# Altium PCB mantarray_beta2_sensor_arrayed.PcbDoc (part 5 of 14)
Units mil, origin at the board's own origin, x right, y up, seen from the top; angles counter-clockwise.
Board outline 6232.47 x 10167.51 mil, 8 copper layers (Layer1_Top, Layer2_sig1, Layer3_AVDD_PLANE, Layer4_GND_PLANE, Layer5_DVDD_PLANE, Layer6_BUS, Layer7_sig2, Layer8_BOT), stack 50.224 mil thick; 470 components, 492 nets, 4650 pads, 3798 vias.
Unrouted connection lines stored in the file: 3.
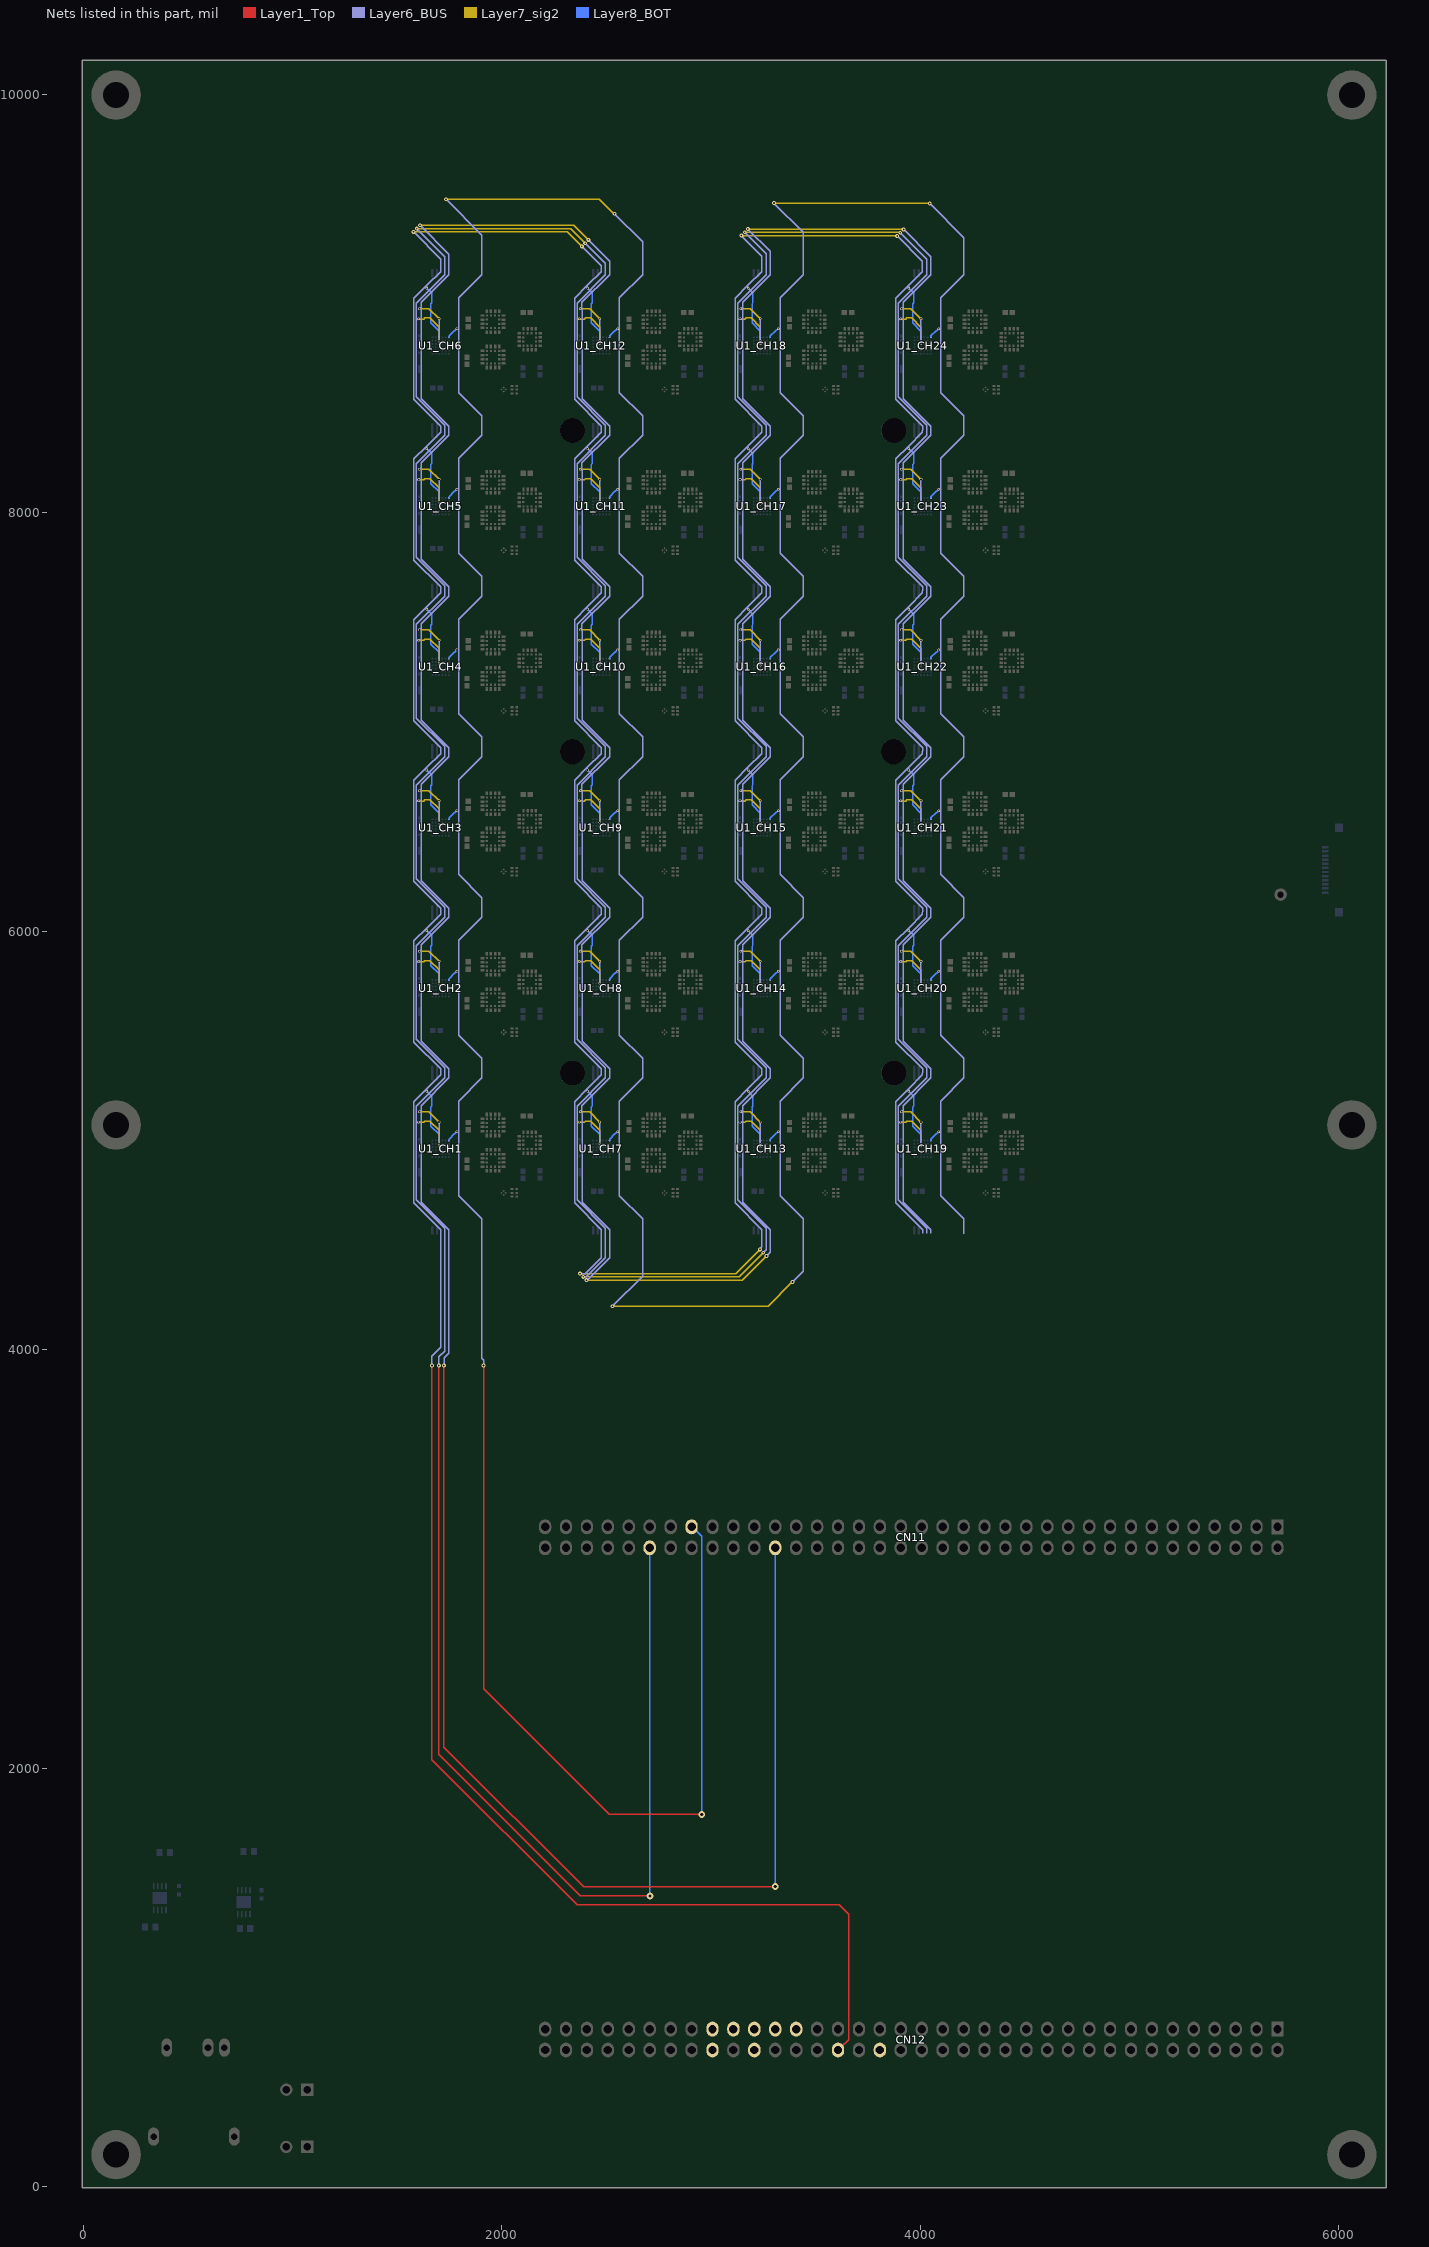
[diagram p11: the nets of this part, all layers, seen from the top]

## Via types
v1: diameter 12/12/12/12/12 (per signal layer), hole 7.87, Layer1_Top to Layer8_BOT, 2208 vias
v2: diameter 32, hole 20, Layer1_Top to Layer8_BOT, 815 vias
v3: diameter 10/10/10/10/10 (per signal layer), hole 7.87, Layer1_Top to Layer8_BOT, 456 vias
v4: diameter 18, hole 8, Layer6_BUS to Layer7_sig2, 102 vias
v5: diameter 10/10 (per signal layer), hole 7.87, Layer7_sig2 to Layer8_BOT, 96 vias
v6: diameter 18, hole 16, Layer1_Top to Layer8_BOT, 57 vias
v7: diameter 12, hole 7.87, Layer1_Top to Layer8_BOT, 26 vias
v8: diameter 18, hole 8, Layer1_Top to Layer8_BOT, 17 vias
v9: diameter 32, hole 16, Layer1_Top to Layer8_BOT, 10 vias
v10: diameter 19.68, hole 7.87, Layer1_Top to Layer8_BOT, 4 vias
v11: diameter 30, hole 20, Layer1_Top to Layer8_BOT, 3 vias
v12: diameter 70.87, hole 47.24, Layer1_Top to Layer8_BOT, 2 vias
v13: diameter 20, hole 16, Layer3_AVDD_PLANE to Layer8_BOT, 1 vias
v14: diameter 20, hole 16, Layer5_DVDD_PLANE to Layer8_BOT, 1 vias

## Nets (pads, with @x,y where several pads share a name; then routed paths per layer and width w, separated by ;. In a path a pad name is that pad's centre, name@x,y a point inside that pad or via, vN(x,y) a via of type N, cw(c..) or ccw(c..) an arc to the next point about the centre after c; other vN are vias at no path point) (continued)
BUS5: CN11.50 pad.5@1748.03,4557.09 pad.5@1748.03,5320.87 pad.5@1748.03,5324.8 pad.5@1748.03,6088.58 pad.5@1748.03,6092.52 pad.5@1748.03,6856.3 pad.5@1748.03,6860.24 pad.5@1748.03,7624.02 pad.5@1748.03,7627.95 pad.5@1748.03,8391.73 pad.5@1748.03,8395.67 pad.5@1748.03,9159.45 pad.5@2515.75,4557.09 pad.5@2515.75,5320.87 pad.5@2515.75,5324.8 pad.5@2515.75,6088.58 pad.5@2515.75,6092.52 pad.5@2515.75,6856.3 pad.5@2515.75,6860.24 pad.5@2515.75,7624.02 pad.5@2515.75,7627.95 pad.5@2515.75,8391.73 pad.5@2515.75,8395.67 pad.5@2515.75,9159.45 pad.5@3283.46,4557.09 pad.5@3283.46,5320.87 pad.5@3283.46,5324.8 pad.5@3283.46,6088.58 pad.5@3283.46,6092.52 pad.5@3283.46,6856.3 pad.5@3283.46,6860.24 pad.5@3283.46,7624.02 pad.5@3283.46,7627.95 pad.5@3283.46,8391.73 pad.5@3283.46,8395.67 pad.5@3283.46,9159.45 pad.5@4051.18,4557.09 pad.5@4051.18,5320.87 pad.5@4051.18,5324.8 pad.5@4051.18,6088.58 pad.5@4051.18,6092.52 pad.5@4051.18,6856.3 pad.5@4051.18,6860.24 pad.5@4051.18,7624.02 pad.5@4051.18,7627.95 pad.5@4051.18,8391.73 pad.5@4051.18,8395.67 pad.5@4051.18,9159.45 U1_CH1.C4 U1_CH2.C4 U1_CH3.C4 U1_CH4.C4 U1_CH5.C4 U1_CH6.C4 U1_CH7.C4 U1_CH8.C4 U1_CH9.C4 U1_CH10.C4 U1_CH11.C4 U1_CH12.C4 U1_CH13.C4 U1_CH14.C4 U1_CH15.C4 U1_CH16.C4 U1_CH17.C4 U1_CH18.C4 U1_CH19.C4 U1_CH20.C4 U1_CH21.C4 U1_CH22.C4 U1_CH23.C4 U1_CH24.C4 | length 36678.2
  Layer1_Top w6: v8(1723.84,3925.2) 1723.84,2101.49 2391.62,1433.72 v9@3307.09,1433.72
  Layer6_BUS w6: v1(1607.27,5136.97) 1608.9,5136.97 1613.5,5141.57 1615.98,5141.57 ; v1(1607.27,5904.69) 1608.9,5904.69 1613.5,5909.29 1615.98,5909.29 ; v1(1607.27,6672.41) 1608.9,6672.41 1613.5,6677.01 1615.98,6677.01 ; v1(1607.27,7440.12) 1608.9,7440.12 1613.5,7444.72 1615.98,7444.72 ; v1(1607.27,8207.84) 1608.9,8207.84 1613.5,8212.44 1615.98,8212.44 ; v1(1607.27,8975.56) 1608.9,8975.56 1613.5,8980.16 1615.98,8980.16 ; v4(1609.85,9373.63) 1748.03,9235.45 pad.5@1748.03,9159.45 1748.03,9161.42 1748.03,9137.8 1615.98,9005.75 1615.98,8980.16 ; v3(1700.79,4968.5) v1(1700.79,5088.58) ; v3(1700.79,5736.22) v1(1700.79,5856.3) ; v3(1700.79,6503.94) v1(1700.79,6624.02) ; v3(1700.79,7271.65) v1(1700.79,7391.73) ; v3(1700.79,8039.37) v1(1700.79,8159.45) ; v3(1700.79,8807.09) v1(1700.79,8927.17) ; v8(1723.84,3925.2) 1726.14,3927.49 1726.14,3940.78 1726.38,3941.02 1726.38,3961.53 1748.03,3983.18 pad.5@1748.03,4557.09 1748.03,4574.8 1616.68,4706.16 1616.68,5132.49 1615.98,5133.18 1615.98,5141.57 ; pad.5@1748.03,5320.87 1748.03,5322.83 1748.03,5299.21 1615.98,5167.17 1615.98,5141.57 ; pad.5@1748.03,5324.8 1748.03,5342.52 1616.68,5473.87 1616.68,5900.21 1615.98,5900.9 1615.98,5909.29 ; pad.5@1748.03,6088.58 1748.03,6090.55 1748.03,6066.93 1615.98,5934.88 1615.98,5909.29 ; pad.5@1748.03,6092.52 1748.03,6110.24 1616.68,6241.59 1616.68,6667.92 1615.98,6668.62 1615.98,6677.01 ; pad.5@1748.03,6856.3 1748.03,6858.27 1748.03,6834.65 1615.98,6702.6 1615.98,6677.01 ; pad.5@1748.03,6860.24 1748.03,6877.95 1616.68,7009.31 1616.68,7435.64 1615.98,7436.33 1615.98,7444.72 ; pad.5@1748.03,7624.02 1748.03,7625.98 1748.03,7602.36 1615.98,7470.32 1615.98,7444.72 ; pad.5@1748.03,7627.95 1748.03,7645.67 1616.68,7777.02 1616.68,8203.36 1615.98,8204.05 1615.98,8212.44 ; pad.5@1748.03,8391.73 1748.03,8393.7 1748.03,8370.08 1615.98,8238.03 1615.98,8212.44 ; pad.5@1748.03,8395.67 1748.03,8413.39 1616.68,8544.74 1616.68,8971.07 1615.98,8971.77 1615.98,8980.16 ; v1(2374.99,5136.97) 2376.61,5136.97 2381.22,5141.57 2383.7,5141.57 ; v1(2374.99,5904.69) 2376.61,5904.69 2381.22,5909.29 2383.7,5909.29 ; v1(2374.99,6672.41) 2376.61,6672.41 2381.22,6677.01 2383.7,6677.01 ; v1(2374.99,7440.12) 2376.61,7440.12 2381.22,7444.72 2383.7,7444.72 ; v1(2374.99,8207.84) 2376.61,8207.84 2381.22,8212.44 2383.7,8212.44 ; v1(2374.99,8975.56) 2376.61,8975.56 2381.22,8980.16 2383.7,8980.16 ; v4(2405.13,4333.06) 2407.86,4333.06 2515.75,4440.94 pad.5@2515.75,4557.09 2515.75,4574.8 2384.39,4706.16 2384.39,5132.49 2383.7,5133.18 2383.7,5141.57 ; v4(2414.4,9304.17) 2515.75,9202.82 pad.5@2515.75,9159.45 2515.75,9161.42 2515.75,9137.8 2383.7,9005.75 2383.7,8980.16 ; v3(2468.5,4968.5) v1(2468.5,5088.58) ; v3(2468.5,5736.22) v1(2468.5,5856.3) ; v3(2468.5,6503.94) v1(2468.5,6624.02) ; v3(2468.5,7271.65) v1(2468.5,7391.73) ; v3(2468.5,8039.37) v1(2468.5,8159.45) ; v3(2468.5,8807.09) v1(2468.5,8927.17) ; pad.5@2515.75,5320.87 2515.75,5322.83 2515.75,5299.21 2383.7,5167.17 2383.7,5141.57 ; pad.5@2515.75,5324.8 2515.75,5342.52 2384.39,5473.87 2384.39,5900.21 2383.7,5900.9 2383.7,5909.29 ; pad.5@2515.75,6088.58 2515.75,6090.55 2515.75,6066.93 2383.7,5934.88 2383.7,5909.29 ; pad.5@2515.75,6092.52 2515.75,6110.24 2384.39,6241.59 2384.39,6667.92 2383.7,6668.62 2383.7,6677.01 ; pad.5@2515.75,6856.3 2515.75,6858.27 2515.75,6834.65 2383.7,6702.6 2383.7,6677.01 ; pad.5@2515.75,6860.24 2515.75,6877.95 2384.39,7009.31 2384.39,7435.64 2383.7,7436.33 2383.7,7444.72 ; pad.5@2515.75,7624.02 2515.75,7625.98 2515.75,7602.36 2383.7,7470.32 2383.7,7444.72 ; pad.5@2515.75,7627.95 2515.75,7645.67 2384.39,7777.02 2384.39,8203.36 2383.7,8204.05 2383.7,8212.44 ; pad.5@2515.75,8391.73 2515.75,8393.7 2515.75,8370.08 2383.7,8238.03 2383.7,8212.44 ; pad.5@2515.75,8395.67 2515.75,8413.39 2384.39,8544.74 2384.39,8971.07 2383.7,8971.77 2383.7,8980.16 ; v1(3142.71,5136.97) 3144.33,5136.97 3148.93,5141.57 3151.42,5141.57 ; v1(3142.71,5904.69) 3144.33,5904.69 3148.93,5909.29 3151.42,5909.29 ; v1(3142.71,6672.41) 3144.33,6672.41 3148.93,6677.01 3151.42,6677.01 ; v1(3142.71,7440.12) 3144.33,7440.12 3148.93,7444.72 3151.42,7444.72 ; v1(3142.71,8207.84) 3144.33,8207.84 3148.93,8212.44 3151.42,8212.44 ; v1(3142.71,8975.56) 3144.33,8975.56 3148.93,8980.16 3151.42,8980.16 ; v4(3176.78,9355.92) 3283.46,9249.23 pad.5@3283.46,9159.45 3283.46,9161.42 3283.46,9137.8 3151.42,9005.75 3151.42,8980.16 ; v3(3236.22,4968.5) v1(3236.22,5088.58) ; v3(3236.22,5736.22) v1(3236.22,5856.3) ; v3(3236.22,6503.94) v1(3236.22,6624.02) ; v3(3236.22,7271.65) v1(3236.22,7391.73) ; v3(3236.22,8039.37) v1(3236.22,8159.45) ; v3(3236.22,8807.09) v1(3236.22,8927.17) ; v4(3265.78,4448.79) 3283.46,4466.47 pad.5@3283.46,4557.09 3283.46,4574.8 3152.11,4706.16 3152.11,5132.49 3151.42,5133.18 3151.42,5141.57 ; pad.5@3283.46,5320.87 3283.46,5322.83 3283.46,5299.21 3151.42,5167.17 3151.42,5141.57 ; pad.5@3283.46,5324.8 3283.46,5342.52 3152.11,5473.87 3152.11,5900.21 3151.42,5900.9 3151.42,5909.29 ; pad.5@3283.46,6088.58 3283.46,6090.55 3283.46,6066.93 3151.42,5934.88 3151.42,5909.29 ; pad.5@3283.46,6092.52 3283.46,6110.24 3152.11,6241.59 3152.11,6667.92 3151.42,6668.62 3151.42,6677.01 ; pad.5@3283.46,6856.3 3283.46,6858.27 3283.46,6834.65 3151.42,6702.6 3151.42,6677.01 ; pad.5@3283.46,6860.24 3283.46,6877.95 3152.11,7009.31 3152.11,7435.64 3151.42,7436.33 3151.42,7444.72 ; pad.5@3283.46,7624.02 3283.46,7625.98 3283.46,7602.36 3151.42,7470.32 3151.42,7444.72 ; pad.5@3283.46,7627.95 3283.46,7645.67 3152.11,7777.02 3152.11,8203.36 3151.42,8204.05 3151.42,8212.44 ; pad.5@3283.46,8391.73 3283.46,8393.7 3283.46,8370.08 3151.42,8238.03 3151.42,8212.44 ; pad.5@3283.46,8395.67 3283.46,8413.39 3152.11,8544.74 3152.11,8971.07 3151.42,8971.77 3151.42,8980.16 ; v1(3910.42,5136.97) 3912.05,5136.97 3916.65,5141.57 3919.13,5141.57 ; v1(3910.42,5904.69) 3912.05,5904.69 3916.65,5909.29 3919.13,5909.29 ; v1(3910.42,6672.41) 3912.05,6672.41 3916.65,6677.01 3919.13,6677.01 ; v1(3910.42,7440.12) 3912.05,7440.12 3916.65,7444.72 3919.13,7444.72 ; v1(3910.42,8207.84) 3912.05,8207.84 3916.65,8212.44 3919.13,8212.44 ; v1(3910.42,8975.56) 3912.05,8975.56 3916.65,8980.16 3919.13,8980.16 ; v4(3920.88,9353.95) 4050.61,9224.21 pad.5@4050.61,9160.02 ; v3(4003.94,4968.5) v1(4003.94,5088.58) ; v3(4003.94,5736.22) v1(4003.94,5856.3) ; v3(4003.94,6503.94) v1(4003.94,6624.02) ; v3(4003.94,7271.65) v1(4003.94,7391.73) ; v3(4003.94,8039.37) v1(4003.94,8159.45) ; v3(4003.94,8807.09) v1(4003.94,8927.17) ; pad.5@4051.18,4557.09 4051.18,4574.8 3919.83,4706.16 3919.83,5132.49 3919.13,5133.18 3919.13,5141.57 ; pad.5@4051.18,5320.87 4051.18,5322.83 4051.18,5299.21 3919.13,5167.17 3919.13,5141.57 ; pad.5@4051.18,5324.8 4051.18,5342.52 3919.83,5473.87 3919.83,5900.21 3919.13,5900.9 3919.13,5909.29 ; pad.5@4051.18,6088.58 4051.18,6090.55 4051.18,6066.93 3919.13,5934.88 3919.13,5909.29 ; pad.5@4051.18,6092.52 4051.18,6110.24 3919.83,6241.59 3919.83,6667.92 3919.13,6668.62 3919.13,6677.01 ; pad.5@4051.18,6856.3 4051.18,6858.27 4051.18,6834.65 3919.13,6702.6 3919.13,6677.01 ; pad.5@4051.18,6860.24 4051.18,6877.95 3919.83,7009.31 3919.83,7435.64 3919.13,7436.33 3919.13,7444.72 ; pad.5@4051.18,7624.02 4051.18,7625.98 4051.18,7602.36 3919.13,7470.32 3919.13,7444.72 ; pad.5@4051.18,7627.95 4051.18,7645.67 3919.83,7777.02 3919.83,8203.36 3919.13,8204.05 3919.13,8212.44 ; pad.5@4051.18,8391.73 4051.18,8393.7 4051.18,8370.08 3919.13,8238.03 3919.13,8212.44 ; pad.5@4051.18,8395.67 4051.18,8413.39 3919.83,8544.74 3919.83,8971.07 3919.13,8971.77 3919.13,8980.16 ; pad.5@4051.18,9159.45 4051.18,9161.42 4051.18,9137.8 3919.13,9005.75 3919.13,8980.16
  Layer7_sig2 w6: v1(1607.27,5136.97) 1652.4,5136.97 v1(1700.79,5088.58) ; v1(1607.27,5904.69) 1652.4,5904.69 v1(1700.79,5856.3) ; v1(1607.27,6672.41) 1652.4,6672.41 v1(1700.79,6624.02) ; v1(1607.27,7440.12) 1652.4,7440.12 v1(1700.79,7391.73) ; v1(1607.27,8207.84) 1652.4,8207.84 v1(1700.79,8159.45) ; v1(1607.27,8975.56) 1652.4,8975.56 v1(1700.79,8927.17) ; v4(1609.85,9373.63) 1610.3,9373.19 1632.04,9373.19 1632.48,9373.63 2344.93,9373.63 v4(2414.4,9304.17) ; v1(2374.99,5136.97) 2420.11,5136.97 v1(2468.5,5088.58) ; v1(2374.99,5904.69) 2420.11,5904.69 v1(2468.5,5856.3) ; v1(2374.99,6672.41) 2420.11,6672.41 v1(2468.5,6624.02) ; v1(2374.99,7440.12) 2420.11,7440.12 v1(2468.5,7391.73) ; v1(2374.99,8207.84) 2420.11,8207.84 v1(2468.5,8159.45) ; v1(2374.99,8975.56) 2420.11,8975.56 v1(2468.5,8927.17) ; v4(2405.13,4333.06) 2405.57,4333.5 2427.31,4333.5 2427.76,4333.06 3150.05,4333.06 v4(3265.78,4448.79) ; v1(3142.71,5136.97) 3187.83,5136.97 v1(3236.22,5088.58) ; v1(3142.71,5904.69) 3187.83,5904.69 v1(3236.22,5856.3) ; v1(3142.71,6672.41) 3187.83,6672.41 v1(3236.22,6624.02) ; v1(3142.71,7440.12) 3187.83,7440.12 v1(3236.22,7391.73) ; v1(3142.71,8207.84) 3187.83,8207.84 v1(3236.22,8159.45) ; v1(3142.71,8975.56) 3187.83,8975.56 v1(3236.22,8927.17) ; v4(3176.78,9355.92) 3177.23,9355.47 3919.35,9355.47 v4(3920.88,9353.95) ; v1(3910.42,5136.97) 3955.55,5136.97 v1(4003.94,5088.58) ; v1(3910.42,5904.69) 3955.55,5904.69 v1(4003.94,5856.3) ; v1(3910.42,6672.41) 3955.55,6672.41 v1(4003.94,6624.02) ; v1(3910.42,7440.12) 3955.55,7440.12 v1(4003.94,7391.73) ; v1(3910.42,8207.84) 3955.55,8207.84 v1(4003.94,8159.45) ; v1(3910.42,8975.56) 3955.55,8975.56 v1(4003.94,8927.17)
  Layer8_BOT w6: v9(3307.09,1435.04) 3307.48,1435.43 CN11.50@3307.48,3053.94
BUS6: CN11.62 pad.5@1728.35,4557.09 pad.5@1728.35,5320.87 pad.5@1728.35,5324.8 pad.5@1728.35,6088.58 pad.5@1728.35,6092.52 pad.5@1728.35,6856.3 pad.5@1728.35,6860.24 pad.5@1728.35,7624.02 pad.5@1728.35,7627.95 pad.5@1728.35,8391.73 pad.5@1728.35,8395.67 pad.5@1728.35,9159.45 pad.5@2496.06,4557.09 pad.5@2496.06,5320.87 pad.5@2496.06,5324.8 pad.5@2496.06,6088.58 pad.5@2496.06,6092.52 pad.5@2496.06,6856.3 pad.5@2496.06,6860.24 pad.5@2496.06,7624.02 pad.5@2496.06,7627.95 pad.5@2496.06,8391.73 pad.5@2496.06,8395.67 pad.5@2496.06,9159.45 pad.5@3263.78,4557.09 pad.5@3263.78,5320.87 pad.5@3263.78,5324.8 pad.5@3263.78,6088.58 pad.5@3263.78,6092.52 pad.5@3263.78,6856.3 pad.5@3263.78,6860.24 pad.5@3263.78,7624.02 pad.5@3263.78,7627.95 pad.5@3263.78,8391.73 pad.5@3263.78,8395.67 pad.5@3263.78,9159.45 pad.5@4031.5,4557.09 pad.5@4031.5,5320.87 pad.5@4031.5,5324.8 pad.5@4031.5,6088.58 pad.5@4031.5,6092.52 pad.5@4031.5,6856.3 pad.5@4031.5,6860.24 pad.5@4031.5,7624.02 pad.5@4031.5,7627.95 pad.5@4031.5,8391.73 pad.5@4031.5,8395.67 pad.5@4031.5,9159.45 U1_CH1.B4 U1_CH2.B4 U1_CH3.B4 U1_CH4.B4 U1_CH5.B4 U1_CH6.B4 U1_CH7.B4 U1_CH8.B4 U1_CH9.B4 U1_CH10.B4 U1_CH11.B4 U1_CH12.B4 U1_CH13.B4 U1_CH14.B4 U1_CH15.B4 U1_CH16.B4 U1_CH17.B4 U1_CH18.B4 U1_CH19.B4 U1_CH20.B4 U1_CH21.B4 U1_CH22.B4 U1_CH23.B4 U1_CH24.B4 | length 35006.3
  Layer1_Top w6: v8(1700.13,3925.2) 1700.13,2066.62 2376.43,1390.31 v9@2708.66,1390.31
  Layer6_BUS w6: v4(1594.3,9358.08) 1728.35,9224.03 pad.5@1728.35,9159.45 1728.35,9161.42 1728.35,9137.8 1592.52,9001.97 1592.52,8923.45 ; v1(1603.68,5088.58) 1602.53,5087.43 1596.54,5087.43 1593.97,5084.87 1592.52,5084.87 ; v1(1603.68,5856.3) 1602.53,5855.15 1596.54,5855.15 1593.97,5852.58 1592.52,5852.58 ; v1(1603.68,6624.02) 1602.53,6622.87 1596.54,6622.87 1593.97,6620.3 1592.52,6620.3 ; v1(1603.68,7391.73) 1602.53,7390.58 1596.54,7390.58 1593.97,7388.02 1592.52,7388.02 ; v1(1603.68,8159.45) 1602.53,8158.3 1596.54,8158.3 1593.97,8155.73 1592.52,8155.73 ; v1(1603.68,8927.17) 1602.53,8926.02 1596.54,8926.02 1593.97,8923.45 1592.52,8923.45 ; v8(1700.13,3925.2) 1700.13,3965.87 1728.35,3994.09 pad.5@1728.35,4557.09 1728.35,4580.35 1592.52,4716.17 1592.52,5084.87 ; pad.5@1728.35,5320.87 1728.35,5322.83 1728.35,5299.21 1592.52,5163.39 1592.52,5084.87 ; pad.5@1728.35,5324.8 1728.35,5348.06 1592.52,5483.89 1592.52,5852.58 ; pad.5@1728.35,6088.58 1728.35,6090.55 1728.35,6066.93 1592.52,5931.1 1592.52,5852.58 ; pad.5@1728.35,6092.52 1728.35,6115.78 1592.52,6251.61 1592.52,6620.3 ; pad.5@1728.35,6856.3 1728.35,6858.27 1728.35,6834.65 1592.52,6698.82 1592.52,6620.3 ; pad.5@1728.35,6860.24 1728.35,6883.5 1592.52,7019.32 1592.52,7388.02 ; pad.5@1728.35,7624.02 1728.35,7625.98 1728.35,7602.36 1592.52,7466.54 1592.52,7388.02 ; pad.5@1728.35,7627.95 1728.35,7651.21 1592.52,7787.04 1592.52,8155.73 ; pad.5@1728.35,8391.73 1728.35,8393.7 1728.35,8370.08 1592.52,8234.25 1592.52,8155.73 ; pad.5@1728.35,8395.67 1728.35,8418.93 1592.52,8554.76 1592.52,8923.45 ; v1(2371.39,5088.58) 2370.25,5087.43 2364.25,5087.43 2361.68,5084.87 2360.24,5084.87 ; v1(2371.39,5856.3) 2370.25,5855.15 2364.25,5855.15 2361.68,5852.58 2360.24,5852.58 ; v1(2371.39,6624.02) 2370.25,6622.87 2364.25,6622.87 2361.68,6620.3 2360.24,6620.3 ; v1(2371.39,7391.73) 2370.25,7390.58 2364.25,7390.58 2361.68,7388.02 2360.24,7388.02 ; v1(2371.39,8159.45) 2370.25,8158.3 2364.25,8158.3 2361.68,8155.73 2360.24,8155.73 ; v1(2371.39,8927.17) 2370.25,8926.02 2364.25,8926.02 2361.68,8923.45 2360.24,8923.45 ; v4(2389.57,4348.62) 2390.02,4349.06 2404.18,4349.06 2496.06,4440.94 pad.5@2496.06,4557.09 2496.06,4580.35 2360.24,4716.17 2360.24,5084.87 ; v4(2398.84,9288.61) 2496.06,9191.39 pad.5@2496.06,9159.45 2496.06,9161.42 2496.06,9137.8 2360.24,9001.97 2360.24,8923.45 ; pad.5@2496.06,5320.87 2496.06,5322.83 2496.06,5299.21 2360.24,5163.39 2360.24,5084.87 ; pad.5@2496.06,5324.8 2496.06,5348.06 2360.24,5483.89 2360.24,5852.58 ; pad.5@2496.06,6088.58 2496.06,6090.55 2496.06,6066.93 2360.24,5931.1 2360.24,5852.58 ; pad.5@2496.06,6092.52 2496.06,6115.78 2360.24,6251.61 2360.24,6620.3 ; pad.5@2496.06,6856.3 2496.06,6858.27 2496.06,6834.65 2360.24,6698.82 2360.24,6620.3 ; pad.5@2496.06,6860.24 2496.06,6883.5 2360.24,7019.32 2360.24,7388.02 ; pad.5@2496.06,7624.02 2496.06,7625.98 2496.06,7602.36 2360.24,7466.54 2360.24,7388.02 ; pad.5@2496.06,7627.95 2496.06,7651.21 2360.24,7787.04 2360.24,8155.73 ; pad.5@2496.06,8391.73 2496.06,8393.7 2496.06,8370.08 2360.24,8234.25 2360.24,8155.73 ; pad.5@2496.06,8395.67 2496.06,8418.93 2360.24,8554.76 2360.24,8923.45 ; v1(3139.11,5088.58) 3137.96,5087.43 3131.97,5087.43 3129.4,5084.87 3127.95,5084.87 ; v1(3139.11,5856.3) 3137.96,5855.15 3131.97,5855.15 3129.4,5852.58 3127.95,5852.58 ; v1(3139.11,6624.02) 3137.96,6622.87 3131.97,6622.87 3129.4,6620.3 3127.95,6620.3 ; v1(3139.11,7391.73) 3137.96,7390.58 3131.97,7390.58 3129.4,7388.02 3127.95,7388.02 ; v1(3139.11,8159.45) 3137.96,8158.3 3131.97,8158.3 3129.4,8155.73 3127.95,8155.73 ; v1(3139.11,8927.17) 3137.96,8926.02 3131.97,8926.02 3129.4,8923.45 3127.95,8923.45 ; v4(3161.23,9340.36) 3263.78,9237.81 pad.5@3263.78,9159.45 3263.78,9161.42 3263.78,9137.8 3127.95,9001.97 3127.95,8923.45 ; v4(3250.22,4464.34) 3263.78,4477.9 pad.5@3263.78,4557.09 3263.78,4580.35 3127.95,4716.17 3127.95,5084.87 ; pad.5@3263.78,5320.87 3263.78,5322.83 3263.78,5299.21 3127.95,5163.39 3127.95,5084.87 ; pad.5@3263.78,5324.8 3263.78,5348.06 3127.95,5483.89 3127.95,5852.58 ; pad.5@3263.78,6088.58 3263.78,6090.55 3263.78,6066.93 3127.95,5931.1 3127.95,5852.58 ; pad.5@3263.78,6092.52 3263.78,6115.78 3127.95,6251.61 3127.95,6620.3 ; pad.5@3263.78,6856.3 3263.78,6858.27 3263.78,6834.65 3127.95,6698.82 3127.95,6620.3 ; pad.5@3263.78,6860.24 3263.78,6883.5 3127.95,7019.32 3127.95,7388.02 ; pad.5@3263.78,7624.02 3263.78,7625.98 3263.78,7602.36 3127.95,7466.54 3127.95,7388.02 ; pad.5@3263.78,7627.95 3263.78,7651.21 3127.95,7787.04 3127.95,8155.73 ; pad.5@3263.78,8391.73 3263.78,8393.7 3263.78,8370.08 3127.95,8234.25 3127.95,8155.73 ; pad.5@3263.78,8395.67 3263.78,8418.93 3127.95,8554.76 3127.95,8923.45 ; v4(3905.32,9338.39) 4030.84,9212.88 pad.5@4030.84,9160.11 ; v1(3906.83,5088.58) 3905.68,5087.43 3899.69,5087.43 3897.12,5084.87 3895.67,5084.87 ; v1(3906.83,5856.3) 3905.68,5855.15 3899.69,5855.15 3897.12,5852.58 3895.67,5852.58 ; v1(3906.83,6624.02) 3905.68,6622.87 3899.69,6622.87 3897.12,6620.3 3895.67,6620.3 ; v1(3906.83,7391.73) 3905.68,7390.58 3899.69,7390.58 3897.12,7388.02 3895.67,7388.02 ; v1(3906.83,8159.45) 3905.68,8158.3 3899.69,8158.3 3897.12,8155.73 3895.67,8155.73 ; v1(3906.83,8927.17) 3905.68,8926.02 3899.69,8926.02 3897.12,8923.45 3895.67,8923.45 ; pad.5@4031.5,4557.09 4031.5,4580.35 3895.67,4716.17 3895.67,5084.87 ; pad.5@4031.5,5320.87 4031.5,5322.83 4031.5,5299.21 3895.67,5163.39 3895.67,5084.87 ; pad.5@4031.5,5324.8 4031.5,5348.06 3895.67,5483.89 3895.67,5852.58 ; pad.5@4031.5,6088.58 4031.5,6090.55 4031.5,6066.93 3895.67,5931.1 3895.67,5852.58 ; pad.5@4031.5,6092.52 4031.5,6115.78 3895.67,6251.61 3895.67,6620.3 ; pad.5@4031.5,6856.3 4031.5,6858.27 4031.5,6834.65 3895.67,6698.82 3895.67,6620.3 ; pad.5@4031.5,6860.24 4031.5,6883.5 3895.67,7019.32 3895.67,7388.02 ; pad.5@4031.5,7624.02 4031.5,7625.98 4031.5,7602.36 3895.67,7466.54 3895.67,7388.02 ; pad.5@4031.5,7627.95 4031.5,7651.21 3895.67,7787.04 3895.67,8155.73 ; pad.5@4031.5,8391.73 4031.5,8393.7 4031.5,8370.08 3895.67,8234.25 3895.67,8155.73 ; pad.5@4031.5,8395.67 4031.5,8418.93 3895.67,8554.76 3895.67,8923.45 ; pad.5@4031.5,9159.45 4031.5,9161.42 4031.5,9137.8 3895.67,9001.97 3895.67,8923.45